# Altium PCB PCB1.PcbDoc (part 2 of 2)
Units mil, origin at the board's own origin, x right, y up, seen from the top; angles counter-clockwise.
Board outline 3937.01 x 3937.01 mil, 4 copper layers (Top Layer, GND2, PWR3, Bottom Layer), stack 23.756 mil thick; 159 components, 132 nets, 699 pads, 170 vias.
Unrouted connection lines stored in the file: 7.
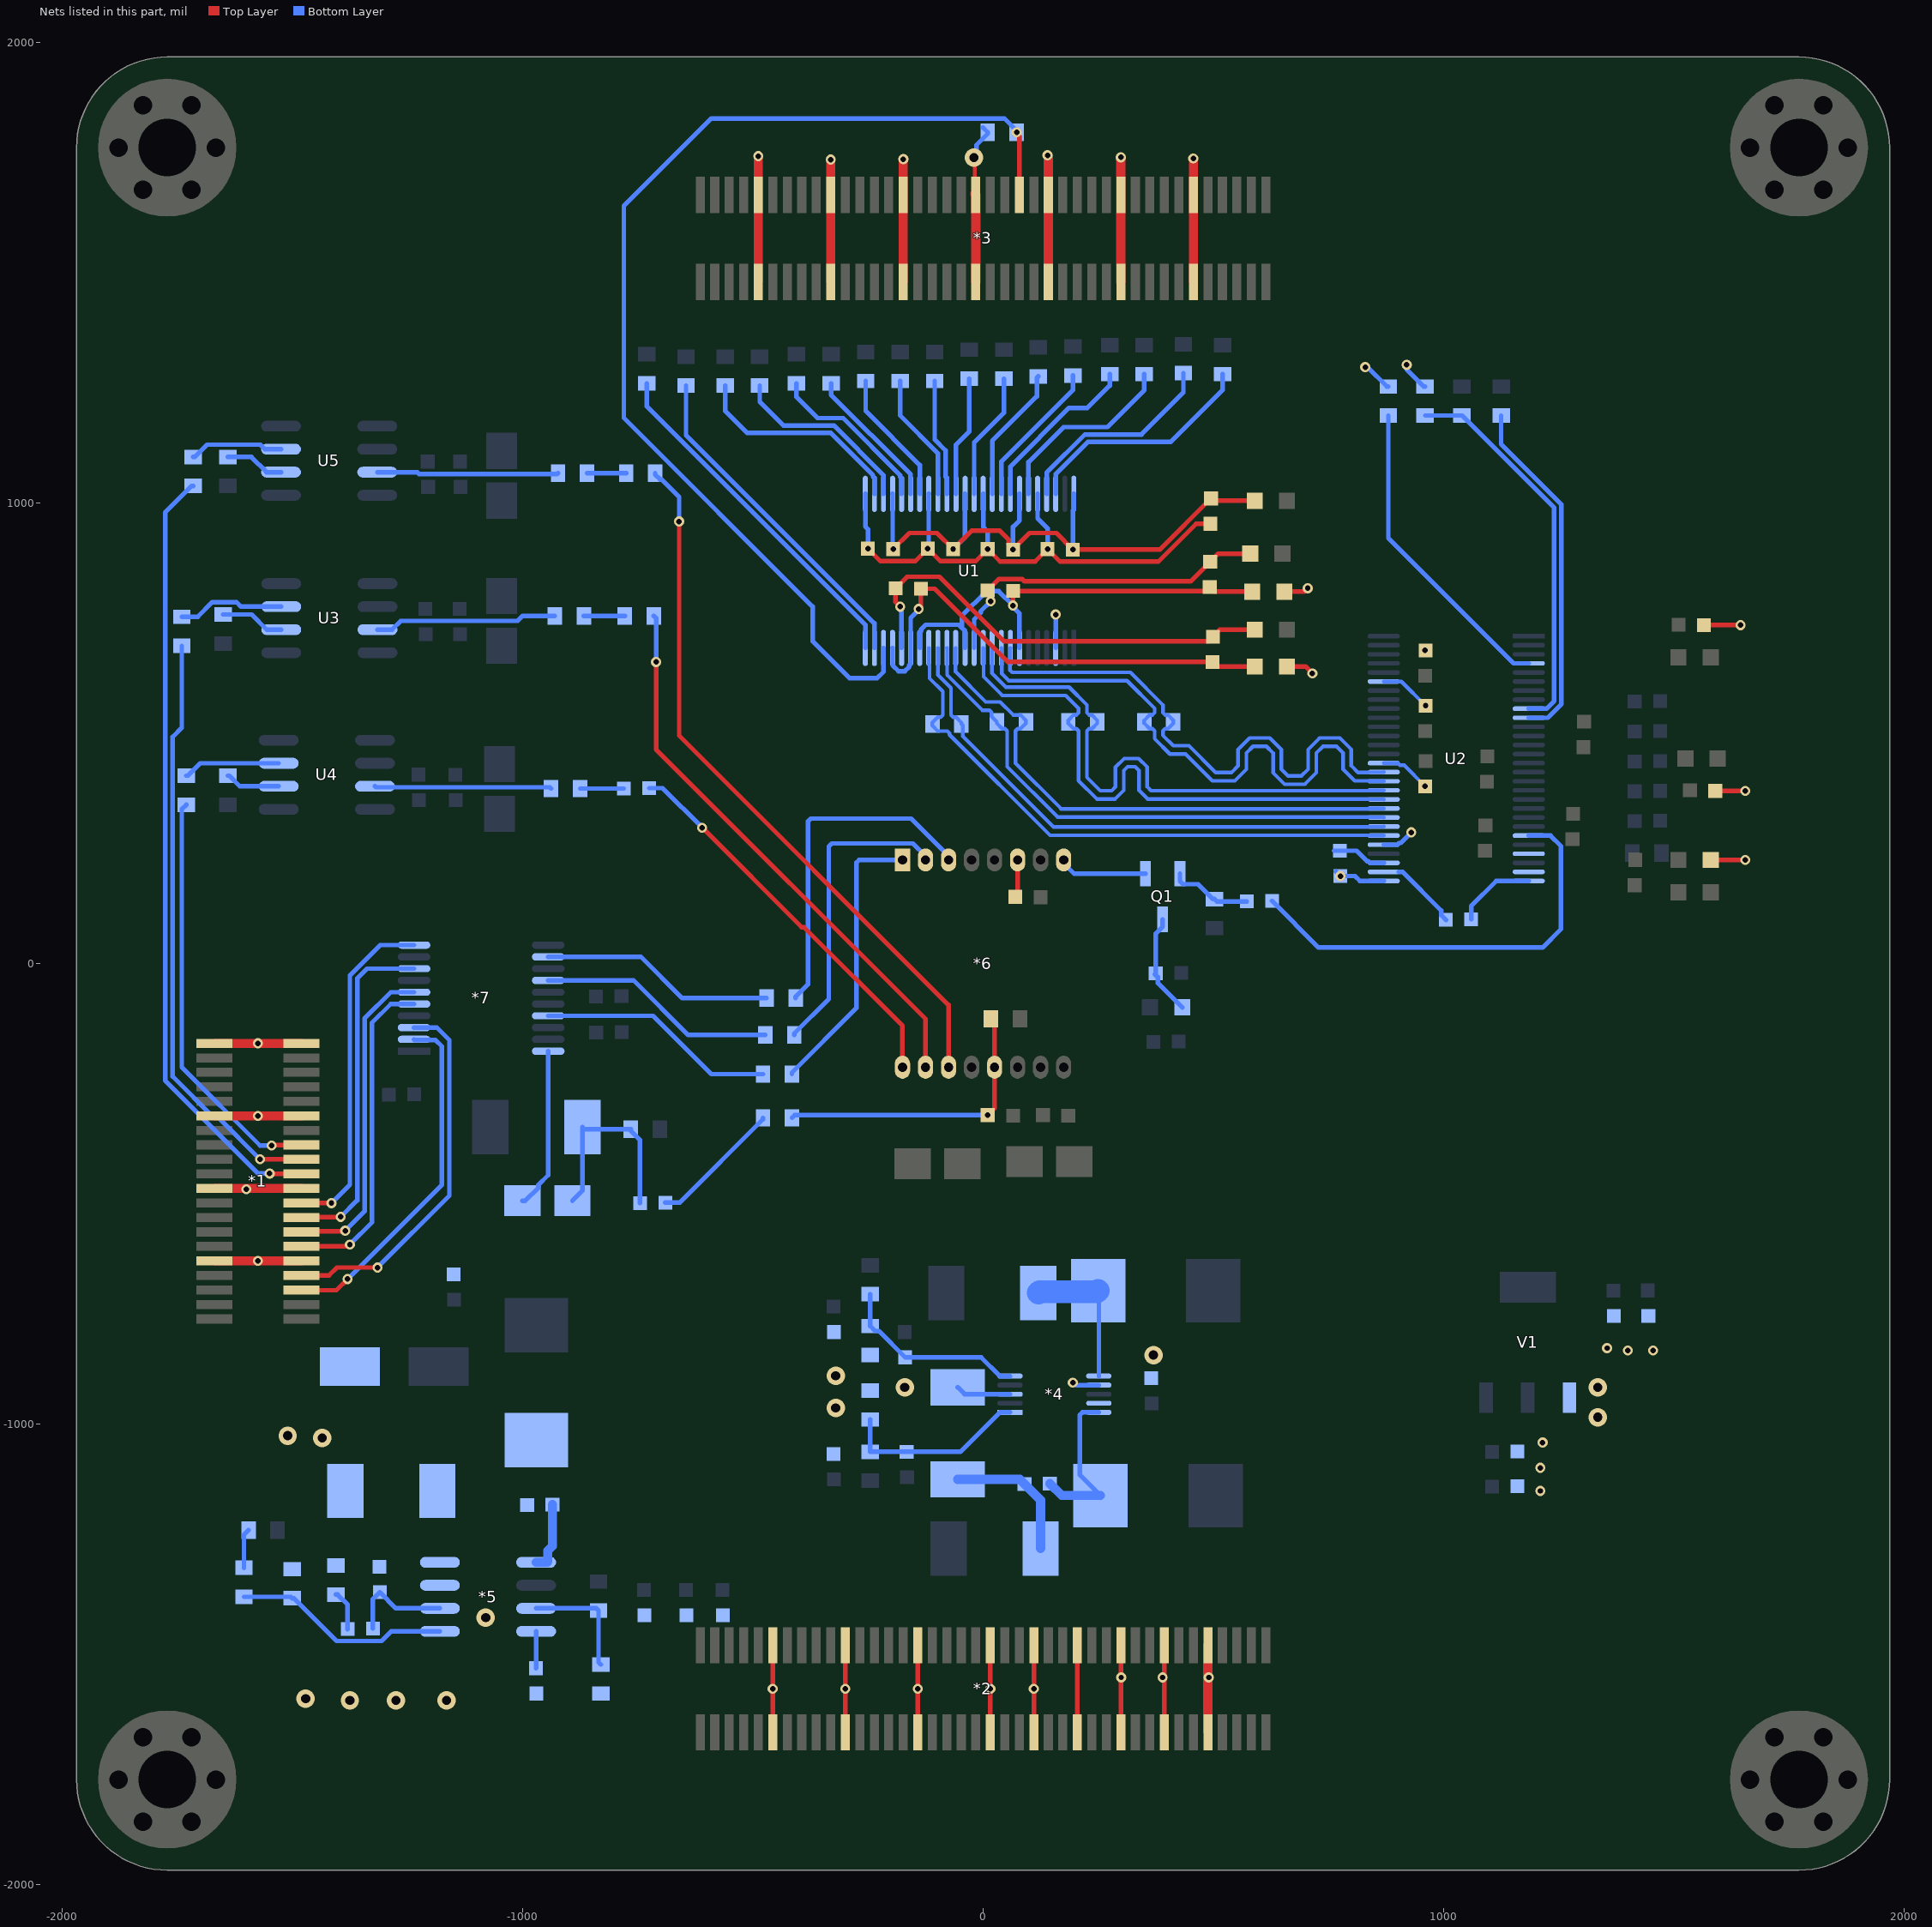
[diagram p4: the nets of this part, all layers, seen from the top]

## Via types
v1: diameter 22, hole 12, Top Layer to Bottom Layer, 132 vias
v2: diameter 40, hole 20, Top Layer to Bottom Layer, 35 vias
v3: diameter 50, hole 25, Top Layer to Bottom Layer, 3 vias

## Nets (pads, with @x,y where several pads share a name; then routed paths per layer and width w, separated by ;. In a path a pad name is that pad's centre, name@x,y a point inside that pad or via, vN(x,y) a via of type N, cw(c..) or ccw(c..) an arc to the next point about the centre after c; other vN are vias at no path point) (continued)
B14_L14_N: *3.45 R32.2 U1.22 | length 2443.1
  Top Layer w10: v1(72.99,1805) 72.99,1801.75 78.74,1796 *3.45@78.74,1669.29
  Bottom Layer w10: U1.22@-216.22,685.35 -216.22,633.78 -230,620 -290,620 -370,700 -370,775 -780,1185 -780,1645 -590,1835 46.24,1835 72.99,1808.25 v1(72.99,1805)
B15_L1_N: *1.25 R54.2 | length 904.8
  Top Layer w10: v1(-1545,-395) -1544.35,-394.35 -1480.97,-394.35 *1.25@-1480.31,-393.7
  Bottom Layer w10: R54.2@-1730,345 -1740,335 -1740,-225 -1570,-395 v1(-1545,-395)
B15_L2_N: *1.13 *7.6 | length 705.6
  Top Layer w10: *1.13@-1480.31,-582.68 -1478.98,-581.34 -1386.34,-581.34 v1(-1385,-580)
  Bottom Layer w10: v1(-1385,-580) -1343,-538 -1343,-119.1 -1286.1,-62.2 *7.6@-1235.67,-62.2
B15_L2_P: *1.11 *7.5 | length 716.5
  Top Layer w10: *1.11@-1480.31,-614.18 -1382.42,-614.18 -1378.25,-610 v1(-1375,-610)
  Bottom Layer w10: v1(-1375,-610) -1327,-562 -1327,-128.69 -1286.1,-87.8 *7.5@-1235.67,-87.8
B15_L4_N: *1.7 *7.3 | length 818.9
  Top Layer w10: *1.7@-1480.31,-677.17 -1420.41,-677.17 -1403.25,-660 v1(-1315,-660)
  Bottom Layer w10: v1(-1315,-660) -1159,-504 -1159,-166 -1186.02,-138.98 *7.3@-1235.67,-138.98
B15_L4_P: *1.5 *7.2 | length 767.6
  Top Layer w10: *1.5@-1480.31,-708.67 -1479.65,-709.33 -1404.33,-709.33 v1(-1380,-685)
  Bottom Layer w10: v1(-1380,-685) -1175,-480 -1175,-180 -1189.33,-165.67 -1234.57,-165.67 *7.2@-1235.67,-164.57
B15_L11_N: *1.23 R50.2 | length 1297.6
  Top Layer w10: v1(-1570,-425) -1569.9,-425.1 -1480.41,-425.1 *1.23@-1480.31,-425.2
  Bottom Layer w10: R50.2@-1740,690 -1740,511.97 -1760,491.98 -1760,-245 -1671.15,-333.85 -1661.15,-333.85 v1(-1570,-425)
B15_L11_P: *1.21 R57.2 | length 1699
  Top Layer w10: v1@-1550,-455 -1548.3,-456.7 *1.21@-1480.31,-456.7
  Bottom Layer w10: R57.2@-1715,1037.01 -1718.25,1037.01 -1776,979.26 -1776,-254 -1574.15,-455.85 v1(-1549.15,-455.85)
B15_L12_N: *1.17 *7.10 | length 743
  Top Layer w10: *1.17@-1480.31,-519.69 -1480.16,-519.84 -1415.16,-519.84 v1(-1415,-520)
  Bottom Layer w10: v1(-1415,-520) -1375,-480 -1375,-25.56 -1309.28,40.16 *7.10@-1235.67,40.16
B15_L12_P: *1.15 *7.8 | length 750.6
  Top Layer w10: *1.15@-1480.31,-551.19 -1479.72,-550.59 -1395.59,-550.59 v1(-1395,-550)
  Bottom Layer w10: v1(-1395,-550) -1359,-514 -1359,-32.19 -1337.84,-11.02 *7.8@-1235.67,-11.02
GND: *1.9 *1.10 *1.19 *1.20 *1.29 *1.30 *1.39 *1.40 *2.9 *2.10 *2.15 *2.16 *2.21 *2.22 *2.27 *2.28 *2.33 *2.34 *2.39 *2.40 *2.49 *2.50 *2.59 *2.60 *2.69 *2.70 *3.9 *3.10 *3.19 *3.20 *3.29 *3.30 *3.39 *3.40 *3.49 *3.50 *3.59 *3.60 *3.69 *3.70 *4.3 *4.7 *4.9 *5.7 C2.2 C4.1 C5.1 C6.1 C7.1 C8.2 C9.1 C12.1 C13.1 C14.1 C15.1 C17.1 C18.1 C19.1 C20.1 C21.1 C22.1 C23.1 C34.2 C40.1 C41.1 C42.1 C43.1 C44.1 D2.K D4.A EC1.2 L6.1 L8.1 L11.1 R2.1 R3.2 R7.1 R9.1 R10.1 R11.1 R15.1 R32.1 U1.3 U1.25 U1.32 U1.38 U1.44 U2.29 U2.33 U2.42 U2.51 V1.1 | length 6913.6
  Top Layer w8: v2(-20,1750) -17.87,1747.87 *3.39@-17.87,1671.42 ; v1(960,680) C41.1@961,680
  Top Layer w10: *2.69@-456.69,-1669.29 *2.70@-456.69,-1480.31 ; *2.59@-299.21,-1669.29 *2.60@-299.21,-1480.31 ; v1(-250,901) -223,874 -147,874 v1(-120,901) -93,874 -16,874 v1(10,900) 37,873 113,873 v1(140,900) 167,873 380.62,873 462.62,955 C19.1@493.99,955 ; *2.49@-141.73,-1669.29 *2.50@-141.73,-1480.31 ; *2.39@15.75,-1669.29 *2.40@15.75,-1480.31 ; *2.33@110.24,-1669.29 *2.34@110.24,-1480.31 ; *2.27@204.73,-1669.29 *2.28@204.73,-1480.31 ; *2.21@299.21,-1669.29 *2.22@299.21,-1480.31 ; *2.15@393.7,-1669.29 *2.16@393.7,-1480.31 ; L6.1@654.28,807.65 697.65,807.65 v1(705,815) ; L8.1@660,645 700,645 v1(715,630) ; C40.1@1565,735 v1(1645,735) ; L11.1@1580,225 v1(1655,225) ; C44.1@1590,375 v1(1655,375) v1@1655,380
  Top Layer w20: *1.10@-1669.29,-645.67 *1.9@-1480.31,-645.67 ; *1.20@-1669.29,-488.19 *1.19@-1480.31,-488.19 ; *1.30@-1669.29,-330.71 *1.29@-1480.31,-330.71 ; *1.40@-1669.29,-173.23 *1.39@-1480.31,-173.23 ; *3.10@-488.19,1480.31 *3.9@-488.19,1669.29 v1(-488.19,1753.19) ; *3.20@-330.71,1480.31 *3.19@-330.71,1669.29 v1(-330.71,1745.71) ; *3.30@-173.23,1480.31 *3.29@-173.23,1669.29 v1(-173.23,1746.77) ; *3.39@-17.87,1671.42 *3.39@-15.75,1669.29 *3.40@-15.75,1480.31 ; v1(140,1755) 141.73,1753.27 *3.49@141.73,1669.29 *3.50@141.73,1480.31 ; *3.60@299.21,1480.31 *3.59@299.21,1669.29 v1(299.21,1750.79) ; *3.70@456.69,1480.31 *3.69@456.69,1669.29 v1(456.69,1748.31) ; *2.9@488.19,-1669.29 488.19,-1552.35 490,-1550.54 490,-1549.46 488.19,-1547.65 *2.10@488.19,-1480.31
  Bottom Layer w8: U2.42@870,435.31 900.54,435.31 905.23,430.63 914.37,430.63 v1(960,385) ; U2.51@870,612.48 908.52,612.48 v1(961,560)
  Bottom Layer w10: U1.25@-255.59,1020 -255.59,948.84 -250,943.25 v1(-250,901) ; v1(-120,901) -117.99,903.01 -117.99,1019.81 U1.32@-117.8,1020 ; D2.K@-55,-920 -40,-935 *4.3@58.54,-935 ; v2(-20,1750) -14.26,1755.74 -14.26,1777.49 10,1801.75 R32.1@10,1805 R32.1@-0.75,1815.75 ; U1.38@0.31,1020 0.31,947.93 10,938.25 v1(10,900) ; U1.44@118.43,1020 118.43,966.57 140,945 v1(140,900) ; U1.3@157.8,685.35 v1(157.8,757.8) ; v1@194.23,-910 v1(195,-910) 198.25,-910 203.56,-915.31 *4.7@251.46,-915.31 ; C34.2@766,200 v1(776,190) 807.7,190 818.3,179.41 U2.29@870,179.41 ; v1(830,1295) 834.74,1295 876.75,1252.99 R15.1@880,1252.99 ; U2.33@870,258.15 900,258.15 903.68,261.83 906.83,261.83 v1(930,285) ; v1(920,1300) 920,1289.74 956.75,1252.99 R11.1@960,1252.99
  other v1: -456.69,-1574.8 -299.21,-1574.8 -141.73,-1574.8 15.75,-1574.8 110.24,-1574.8 300,-1550 390,-1550 490,-1550 1210,-1145 1210,-1095 1215,-1040 1400,-840 1455,-840 1355,-835 -1574.8,-645.67 -1600,-490 -1574.8,-330.71 -1574.8,-173.23
  other v2: -1375,-1600 -1275,-1600 -1165,-1600 -1470.91,-1596.13 -1080,-1420 -1435,-1030 -1510,-1025 1335,-985 -320,-965 -170,-920 1335,-920 -320,-895 370,-850
H1: *6.15 R42.1 | length 1224.4
  Top Layer w10: v1(-710,655) -710,465 -125,-120 *6.15@-125,-225
  Bottom Layer w10: R42.1@-715,755 -710,750 v1(-710,655)
H2: *6.16 C50.1 | length 853.7
  Top Layer w10: v1(-610,295) -393.85,78.85 -388.85,78.85 -175,-135 *6.16@-175,-225
  Bottom Layer w10: C50.1@-725,381 -696,381 v1(-610,295)
Net98: C24.2 C25.2 L5.2 U1.12 | length 749.6
  Top Layer w10: v1(16.64,786.64) 16.64,803.36 C25.2@10,810 35,835 84.56,835 89.56,830 450.63,830 C24.2@493.28,872.65 510.63,890 L5.2@580,890
  Bottom Layer w10: U1.12@-19.37,685.35 -19.37,747.38 -5,761.75 -5,765 v1(16.64,786.64)
Net*4_1: *4.1 C3.2 R1.1 R2.2 | length 409
  Bottom Layer w10: R2.2@-245,-990 R1.1@-245,-1060 C3.2@-166,-1060 -49.13,-1060 36.5,-974.37 *4.1@58.54,-974.37
Net*4_5: *4.5 C10.1 R3.1 R4.1 | length 417.6
  Bottom Layer w10: R4.1@-245,-717.99 R3.1@-245,-787.01 -234.25,-797.76 -226.24,-797.76 C10.1@-169,-855 -4.13,-855 36.5,-895.63 *4.5@58.54,-895.63
Net*4_6: *4.6 D3.A L2.2 | length 318.3
  Bottom Layer w10: L2.2@250,-710 251.46,-711.46 *4.6@251.46,-895.63
  Bottom Layer w50: D3.A@120,-715 122.5,-712.5 247.5,-712.5 L2.2@250,-710
Net*4_10: *4.10 C1.1 L1.2 | length 358.1
  Bottom Layer w10: *4.10@251.46,-974.37 215.86,-974.37 210,-980.23 210,-1110 L1.2@255,-1155
  Bottom Layer w20: C1.1@145,-1129 171,-1155 L1.2@255,-1155
Net*5_1: *5.1 C11.1 | length 153.6
  Bottom Layer w20: *5.1@-970.51,-1300 -946.87,-1300 -945.2,-1298.33 -945.2,-1274.69 -935,-1264.49 C11.1@-935,-1175
Net*5_3: *5.3 R6.1 R7.2 | length 256.7
  Bottom Layer w10: *5.3@-970.51,-1400 -840,-1400 R6.1@-835,-1405 -835,-1517.01 R7.2@-830,-1522.01
Net*5_4: *5.4 C18.2 | length 80.2
  Bottom Layer w10: C18.2@-971,-1530 -970.51,-1529.51 *5.4@-970.51,-1450
Net*5_5: *5.5 R8.1 R10.2 | length 474
  Bottom Layer w10: R8.1@-1605,-1375 -1502.99,-1375 R10.2@-1500,-1377.99 -1496.75,-1377.99 -1403.74,-1471 -1306.44,-1471 -1285.44,-1450 *5.5@-1179.49,-1450
Net*5_6: *5.6 C16.2 C17.2 | length 230.2
  Bottom Layer w10: C16.2@-1325,-1444 -1325,-1380 C17.2@-1310,-1365 -1275,-1400 *5.6@-1179.49,-1400
Net*5_8: *5.8 C11.2 D4.K L3.1
Net*6_6: *6.6 C46.1 | length 82.1
  Top Layer w10: C46.1@70,145 75,150 *6.6@75,225
Net*7_12: *7.12 R47.2 | length 511.4
  Bottom Layer w10: *7.12@-944.33,14.57 -742.77,14.57 -653.2,-75 R47.2@-470,-75
Net*7_14: *7.14 R46.2 | length 520.4
  Bottom Layer w10: *7.14@-944.33,-36.61 -758.67,-36.61 -640.28,-155 R46.2@-472.99,-155
Net*7_17: *7.17 R45.2 | length 518.8
  Bottom Layer w10: *7.17@-944.33,-113.39 -716.61,-113.39 -590,-240 R45.2@-477.99,-240
Net*7_20: *7.20 TC4.2 | length 351.4
  Bottom Layer w10: TC4.2@-1000,-515 -994.09,-515 -965.63,-486.54 -965.63,-480.63 -944.33,-459.33 *7.20@-944.33,-190.16
NetC1_2: C1.2 D1.K D2.A | length 303.6
  Bottom Layer w20: D2.A@-55,-1120 80,-1120 C1.2@90,-1130 125,-1165 D1.K@125,-1270
NetC16_1: C16.1 R9.2 | length 87.3
  Bottom Layer w10: R9.2@-1405,-1370 -1401.75,-1370 -1380,-1391.75 C16.1@-1380,-1445
NetC19_2: C19.2 C20.2 C21.2 C22.2 C23.2 L4.2 U1.28 U1.36 U1.42 U1.48 | length 1432.6
  Top Layer w10: v1(-195,900) -160,935 -100,935 v1(-65,900) -25,940 36.11,940 55,921.11 55,909 v1(65,899) 75,909 101,935 159,935 v1(195,899) 383.99,899 C19.2@494.99,1010 499.99,1005 L4.2@590,1005
  Bottom Layer w10: U1.28@-196.54,1020 -196.34,1019.81 -196.34,901.34 v1(-195,900) ; v1(-65,900) -39.05,925.95 U1.36@-39.05,1020 ; v1(65,899) 65,948.25 79.06,962.3 U1.42@79.06,1020 ; v1(195,899) 195,983.69 197.17,985.86 U1.48@197.17,1020
NetC24_1: C24.1 C25.1 L6.2 U1.7 U1.13 U1.18 | length 1012.3
  Top Layer w10: v1(65,777.5) C25.1@65,809 483.63,809 C24.1@492.28,817.65 502.28,807.65 L6.2@584.28,807.65
  Bottom Layer w10: U1.18@-137.48,685.35 -137.48,719.49 -134.3,722.68 -134.3,726.06 -124.63,735.72 -52.69,735.72 -45.97,729 ; U1.13@-39.05,685.35 -39.25,685.55 -39.25,722.28 -45.97,729 ; U1.7@79.06,685.35 79.06,760.2 65,774.25 v1(65,777.5) 33.86,808.64 7.53,808.64 -45.97,755.14 -45.97,729
NetC31_1: C31.1 C32.1 L8.2 U1.19 U1.21 | length 1057.9
  Top Layer w10: v1(-140,770) -135,775 C31.1@-135,814 -105,814 54,655 C32.1@497.99,655 507.99,645 L8.2@590,645
  Bottom Layer w10: U1.21@-196.54,685.35 -196.34,685.16 -196.34,647.64 -183.68,634.98 -170.02,634.98 -160.35,644.65 -160.35,648.03 -157.17,651.21 U1.19@-157.17,685.35 -157.17,750.4 -140,767.56 v1(-140,770)
NetC31_2: C31.2 C32.2 L7.2 U1.20 | length 993.8
  Top Layer w10: v1(-180,775) -190,785 C31.2@-190,815 -165,840 -95,840 45,700 488.99,700 C32.2@498.99,710 513.99,725 L7.2@590,725
  Bottom Layer w10: v1(-180,775) -180,771.75 -176.85,768.6 U1.20@-176.85,685.35
NetC33_1: C33.1 U2.30 | length 151
  Bottom Layer w10: U2.30@902.94,199.09 910.91,199.09 995,115 995,105 C33.1@1005,95
NetC33_2: C33.2 U2.28 | length 176.5
  Bottom Layer w10: C33.2@1060,96 1060,125 1114.41,179.41 U2.28@1184.96,179.41
NetC34_1: C34.1 U2.31 | length 118.5
  Bottom Layer w10: C34.1@762.37,245 810.84,245 833.37,222.46 836.32,222.46 840,218.78 U2.31@870,218.78
NetC45_2: C45.2 L13.1 Q1.3 | length 219.9
  Bottom Layer w10: C45.2@373,-23 379.36,-29.36 379.36,-41.86 L13.1@432.5,-95 ; C45.2@375,-21 375,65.18 390.1,80.28 Q1.3@390.1,96.03
NetC48_2: C48.2 Q1.2 R41.2 | length 179.1
  Bottom Layer w10: Q1.2@427.5,195 427.5,179.25 434.31,172.44 466.81,172.44 499.25,140 R41.2@502.5,140 507.5,135 C48.2@572.5,135
NetC50_2: C50.2 R53.1 | length 95
  Bottom Layer w10: R53.1@-875,380 C50.2@-780,380
NetC53_1: C53.1 R44.2 | length 290.1
  Bottom Layer w10: C53.1@-690,-519 -658.74,-519 -477.99,-338.25 R44.2@-477.99,-335
NetC53_2: C53.2 D5.K R51.2 TC4.1 | length 444.4
  Bottom Layer w10: TC4.1@-891.85,-515 -870,-493.15 D5.K@-870,-355 -865,-360 R51.2@-765,-360 -765,-363.25 -745,-383.25 C53.2@-745,-520
NetR5_1: R5.1 R8.2 | length 86.2
  Bottom Layer w10: R8.2@-1605,-1312.01 -1605,-1240 R5.1@-1595,-1230
NetR11_2: R11.2 R24.2 U2.9 | length 844.7
  Bottom Layer w10: R11.2@960,1190 R24.2@1040,1190 1240,990 1240,570 1223.43,553.43 U2.9@1184.96,553.43
NetR12_1: R12.1 U1.24 | length 771.2
  Bottom Layer w10: R12.1@-730,1260 -730,1210 -255.59,735.59 U1.24@-255.59,685.35
NetR13_1: R13.1 U1.26 | length 475.6
  Bottom Layer w10: R13.1@-560,1255 -560,1200 -512.48,1152.48 -330.86,1152.48 -239.09,1060.7 -239.09,1057.32 -235.91,1054.14 U1.26@-235.91,1020
NetR14_1: R14.1 U1.27 | length 410.3
  Bottom Layer w10: R14.1@-485,1255 -485,1220 -433.48,1168.48 -324.24,1168.48 -216.41,1060.65 -216.41,1020.19 U1.27@-216.22,1020
NetR15_2: R15.2 U2.4 | length 683.8
  Bottom Layer w10: R15.2@880,1190 880,923.87 1152.02,651.85 U2.4@1184.96,651.85
NetR17_1: R17.1 U1.29 | length 367.1
  Bottom Layer w10: R17.1@-405,1260 -405,1230 -359.48,1184.48 -303.81,1184.48 -180.04,1060.7 -180.04,1057.76 -180.04,1057.33 -176.85,1054.14 U1.29@-176.85,1020
NetR18_1: R18.1 U1.30 | length 311.6
  Bottom Layer w10: R18.1@-330,1260 -330,1235 -157.36,1062.36 -157.36,1020.19 U1.30@-157.17,1020
NetR20_1: R20.1 U1.31 | length 293.7
  Bottom Layer w10: R20.1@-255,1265 -255,1200 -137.48,1082.48 U1.31@-137.48,1020
NetR21_1: R21.1 U1.33 | length 278.9
  Bottom Layer w10: R21.1@-180,1265 -180,1190 -98.11,1108.11 U1.33@-98.11,1020
NetR23_1: R23.1 U1.34 | length 256
  Bottom Layer w10: R23.1@-105,1265 -105,1137.63 -81.61,1114.24 -81.61,1057.32 -78.43,1054.14 U1.34@-78.43,1020
NetR25_1: R25.1 U1.35 | length 261.9
  Bottom Layer w10: U1.35@-58.74,1020 -58.74,1126.61 -30,1155.35 R25.1@-30,1270
NetR26_2: R26.2 U2.10 | length 764.2
  Bottom Layer w10: R26.2@1125,1190 1125,1127.63 1256,996.63 1256,563.37 1226.37,533.74 U2.10@1184.96,533.74
NetR28_1: R28.1 U1.37 | length 276.7
  Bottom Layer w10: U1.37@-19.37,1020 -19.37,1131.6 45,1195.98 R28.1@45,1270
NetR29_1: R29.1 U1.39 | length 296.4
  Bottom Layer w10: U1.39@20,1020 20,1135 116.75,1231.75 116.75,1271.75 R29.1@120,1275
NetR30_1: R30.1 U1.40 | length 321.3
  Bottom Layer w10: U1.40@39.69,1020 39.69,1089.69 195,1245 R30.1@195,1277.01
NetR31_1: R31.1 U1.41 | length 372.7
  Bottom Layer w10: U1.41@59.37,1020 59.37,1079.37 186.43,1206.43 226.43,1206.43 275,1255 R31.1@275,1280
NetR33_1: R33.1 U1.43 | length 419.7
  Bottom Layer w10: U1.43@98.74,1020 98.74,1088.74 174.98,1164.98 269.98,1164.98 350,1245 R33.1@350,1280
NetR34_1: R34.1 U1.45 | length 456.8
  Bottom Layer w10: U1.45@138.11,1020 138.3,1020.19 138.3,1065.93 221.35,1148.98 343.98,1148.98 435,1240 R34.1@435,1282.01
NetR35_1: R35.1 U1.46 | length 515.5
  Bottom Layer w10: U1.46@157.8,1020 157.83,1062.83 227.98,1132.98 407.98,1132.98 520,1245 R35.1@520,1280
NetR36_1: R36.1 U1.23 | length 739.1
  Bottom Layer w10: R36.1@-645,1255 -645,1147.63 -236.1,738.73 -236.1,685.55 U1.23@-235.91,685.35
NetR38_2: U2.25
NetR39_2: U2.27
NetR42_2: R42.2 R49.1 | length 89
  Bottom Layer w10: R49.1@-867.01,755 R42.2@-777.99,755
NetR43_2: R43.2 R56.1 | length 85
  Bottom Layer w10: R56.1@-860,1065 R43.2@-775,1065
NetR48_2: R48.2 U3.2 | length 139.7
  Bottom Layer w10: R48.2@-1650,757.99 -1588.46,757.99 -1555.47,725 U3.2@-1523.98,725
NetR49_2: R49.2 U3.7 | length 397.4
  Bottom Layer w10: U3.7@-1315,725 -1283.5,725 -1264.5,744 -1010.76,744 -999.76,755 R49.2@-930,755
NetR50_1: R50.1 U3.3 | length 233.2
  Bottom Layer w10: R50.1@-1740,752.99 -1705.3,752.99 -1673.55,784.74 -1621.23,784.74 -1611.49,775 U3.3@-1523.98,775
NetR52_2: R52.2 U4.2 | length 120
  Bottom Layer w10: R52.2@-1640,407.99 -1636.75,407.99 -1613.76,385 U4.2@-1529.49,385
NetR53_2: R53.2 U4.7 | length 384.6
  Bottom Layer w10: U4.7@-1320.51,385 -1318.29,382.78 -940.77,382.78 R53.2@-937.99,380
NetR54_1: R54.1 U4.3 | length 211.7
  Bottom Layer w10: R54.1@-1730,407.99 -1726.75,407.99 -1699.74,435 U4.3@-1529.49,435
NetR55_2: R55.2 U5.2 | length 129.2
  Bottom Layer w10: R55.2@-1640,1100 -1588.98,1100 -1555.98,1067.01 U5.2@-1524.49,1067.01
NetR56_2: R56.2 U5.7 | length 395.2
  Bottom Layer w10: U5.7@-1315.51,1067.01 -1228.56,1067.01 -1224.34,1062.78 -925.21,1062.78 R56.2@-922.99,1065
NetR57_1: R57.1 U5.3 | length 205.6
  Bottom Layer w10: R57.1@-1715,1100 -1711.75,1100 -1685,1126.75 -1569.41,1126.75 -1559.67,1117.01 U5.3@-1524.49,1117.01
OS: C48.1 U2.23 | length 945.2
  Bottom Layer w10: C48.1@627.5,136 728.5,35 1215,35 1254.74,74.74 1254.74,255.26 1232.17,277.83 U2.23@1184.96,277.83
RG: *6.14 R43.1 | length 1550.8
  Top Layer w10: v1@-660,955 -660,495 -75,-90 *6.14@-75,-225
  Bottom Layer w10: R43.1@-712.01,1065 -712.01,1061.75 -701.26,1051 -698.01,1051 -660,1012.99 v1(-660,960)
SUB: *6.12 C47.2 R40.2 R44.1 | length 655.2
  Top Layer w10: v1(10,-329) 25,-314 25,-127.99 R40.2@17.01,-120
  Bottom Layer w10: R44.1@-415,-335 -409,-329 v1(10,-329) ; v1@10,-335 v1@19.14,-335
TXCLK+: R27.2 U1.17 U2.34 | length 1275
  Bottom Layer w8: U1.17@-117.8,685.35 -117.8,650.67 -116.11,648.99 -116.11,619.41 -87.5,590.8 -87.5,539.68 -92.19,535 -98.25,535 -110,523.25 R27.2@-110,520 -110,516.75 -98.25,505 -77.44,505 -72.76,500.32 -72.76,496.86 145.43,278.68 837.74,278.68 838.2,278.22 869.62,278.22 U2.34@870,277.83
TXCLK-: R27.1 U1.16 U2.35 | length 1213.7
  Bottom Layer w8: U1.16@-98.11,685.35 -98.11,626.86 -69.5,598.26 -69.5,539.68 -64.82,535 -58.76,535 -47.01,523.25 R27.1@-47.01,520 -44.13,517.12 -44.13,493.69 152.88,296.68 837.74,296.68 838.2,297.14 869.62,297.14 U2.35@870,297.52
TXOUT0+: R16.2 U1.9 U2.40 | length 1268.9
  Bottom Layer w8: U1.9@39.69,685.35 40.26,684.78 40.26,648.79 40.53,648.52 40.53,629.45 55.76,614.22 312.49,614.22 372.5,554.22 372.5,544.68 367.81,540 361.75,540 350,528.25 R16.2@350,525 350,521.75 361.75,510 367.81,510 372.5,505.32 372.5,488.33 405.82,455 439.54,455 497.76,396.79 530,396.79 546.73,396.79 571.77,421.83 571.77,457.29 586.27,471.79 615.27,471.79 629.77,457.29 629.77,414.46 654.82,389.42 698.73,389.42 723.77,414.46 723.77,457.29 738.27,471.79 767.27,471.79 781.77,457.29 781.77,421.83 806.82,396.79 829.32,396.79 837.74,396.79 838.2,396.33 869.62,396.33 U2.40@870,395.94
TXOUT0-: R16.1 U1.8 U2.41 | length 1239
  Bottom Layer w8: U1.8@59.37,685.35 58.8,684.78 58.8,648.79 58.53,648.52 58.53,636.91 63.21,632.22 319.95,632.22 390.5,561.67 390.5,544.68 395.18,540 401.24,540 412.99,528.25 R16.1@412.99,525 412.99,521.75 401.24,510 395.18,510 390.5,505.32 390.5,495.78 413.28,473 447,473 505.21,414.79 530,414.79 539.27,414.79 553.77,429.29 553.77,464.74 578.82,489.79 622.73,489.79 647.77,464.74 647.77,421.92 662.27,407.42 691.27,407.42 705.77,421.92 705.77,464.74 730.82,489.79 774.73,489.79 799.77,464.74 799.77,429.29 814.27,414.79 829.32,414.79 837.74,414.79 838.2,415.25 869.62,415.25 U2.41@870,415.63
TXOUT1+: R19.2 U1.11 U2.38 | length 1268.1
  Bottom Layer w8: U1.11@0.32,685.35 0.89,684.78 0.89,648.79 1.16,648.52 1.16,622.95 41.89,582.22 179.49,582.22 207.5,554.22 207.5,544.68 202.81,540 196.75,540 185,528.25 R19.2@185,525 185,521.75 196.75,510 202.81,510 207.5,505.32 207.5,397.05 247.13,357.42 270,357.42 286.73,357.42 305.52,376.21 305.52,419.17 313.77,427.42 330.27,427.42 338.52,419.17 338.52,376.21 357.32,357.42 465,357.42 837.74,357.42 838.2,356.96 869.62,356.96 U2.38@870,356.57
TXOUT1-: R19.1 U1.10 U2.39 | length 1238.2
  Bottom Layer w8: U1.10@20,685.35 19.43,684.78 19.43,648.79 19.16,648.52 19.16,630.41 49.34,600.22 186.95,600.22 225.5,561.67 225.5,544.68 230.18,540 236.24,540 247.99,528.25 R19.1@247.99,525 247.99,521.75 236.24,510 230.18,510 225.5,505.32 225.5,404.5 254.58,375.42 270,375.42 279.27,375.42 287.52,383.67 287.52,426.62 306.32,445.42 337.73,445.42 356.52,426.62 356.52,383.67 364.77,375.42 465,375.42 837.74,375.42 838.2,375.88 869.62,375.88 U2.39@870,376.26
TXOUT2+: R22.2 U1.15 U2.36 | length 1187.7
  Bottom Layer w8: U1.15@-78.42,685.35 -77.98,684.91 -77.98,626.53 -1.67,550.22 13.57,550.22 18.25,545.53 18.25,536.75 R22.2@30,525 30,521.75 41.75,510 47.81,510 52.5,505.32 52.5,427.5 161.95,318.05 837.74,318.05 838.2,317.59 869.62,317.59 U2.36@870,317.2
TXOUT2-: R22.1 U1.14 U2.37 | length 1195.3
  Bottom Layer w8: U1.14@-59.53,685.35 -59.98,684.91 -59.98,633.98 5.79,568.22 37.02,568.22 65.24,540 81.24,540 92.99,528.25 R22.1@92.99,525 92.99,521.75 81.24,510 75.18,510 70.5,505.32 70.5,434.96 169.41,336.05 837.74,336.05 838.2,336.51 869.62,336.51 U2.37@870,336.89
V1: *6.3 R47.1 | length 745
  Bottom Layer w10: R47.1@-407.01,-75 -407.01,-71.75 -380,-44.74 -380,309.14 -374.14,315 -156.5,315 -75,233.5 *6.3@-75,225
V2: *6.2 R46.1 | length 672.9
  Bottom Layer w10: R46.1@-410,-155 -410,-151.75 -335,-76.75 -335,254.14 -328.14,261 -152.5,261 -125,233.5 *6.2@-125,225
V3: *6.1 R45.1 | length 619.6
  Bottom Layer w10: R45.1@-415,-240 -415,-236.75 -275,-96.75 -275,219.14 -269.14,225 *6.1@-175,225
VOUT: *6.8 Q1.1 | length 194.2
  Bottom Layer w10: *6.8@175,225 175,218.05 198.05,195 Q1.1@352.7,195
pads on no net: *1.1 *1.2 *1.3 *1.4 *1.6 *1.8 *1.12 *1.14 *1.16 *1.18 *1.22 *1.24 *1.26 *1.27 *1.28 *1.31 *1.32 *1.33 *1.34 *1.35 *1.36 *1.37 *1.38 *2.17 *2.18 *2.19 *2.20 *2.29 *2.30 *2.31 *2.32 *2.35 *2.36 *2.37 *2.38 *2.41 *2.42 *2.43 *2.44 *2.45 *2.46 *2.47 *2.48 *2.51 *2.52 *2.53 *2.54 *2.55 *2.56 *2.57 *2.58 *2.61 *2.62 *2.63 *2.64 *2.65 *2.66 *2.67 *2.68 *2.71 *2.72 *2.73 *2.74 *2.75 *2.76 *2.77 *2.78 *2.79 *2.80 *3.2 *3.4 *3.6 *3.8 *3.12 *3.14 *3.16 *3.18 *3.22 *3.24 *3.26 *3.28 *3.32 *3.34 *3.36 *3.38 *3.42 *3.44 *3.46 *3.47 *3.48 *3.52 *3.54 *3.56 *3.58 *3.62 *3.64 *3.66 *3.67 *3.68 *3.71 *3.72 *3.73 *3.74 *3.75 *3.76 *3.77 *3.78 *3.79 *3.80 *6.4 *7.13 *7.16 *7.19 SP1.1 SP2.1 SP3.1 SP4.1 U1.1 U1.2 U1.4 U1.5 U1.6 U1.47 U2.1 U2.2 U2.3 U2.45 U2.46 U2.47 U2.48 U2.49 U2.50 U2.53 U2.54 U2.55 U2.56

## Polygon pours and split planes (outlines as drawn)
GND on Bottom Layer "GND_L04_P016" (solid, remove dead copper, pour order 16): -2007.5,2002.5 -2007.5,-2005 2017.5,-2022.5 2017.5,2020
GND on Bottom Layer "GND_L04_P011" (solid, pour order 11): -355,-610 -355,-680 -355,-1140 650,-1140 680,-1170 680,-585
+12 on Bottom Layer "+12_L04_P004" (solid, pour order 4): 430,-535 440,-545 440,-1270 650,-1270 660,-1260 660,-535
-7V5 on Bottom Layer "-7V5_L04_P009" (solid, pour order 9): -367.43,-1097.43 -375,-1105 -375,-1345 -20,-1345 -15,-1340 -15,-1092.46
+5 on Bottom Layer "+5_L04_P008" (solid, pour order 8): -1260,-710 -1260,-960 -820,-960 -815,-955 -815,-715
Net*5_8 on Bottom Layer "NET*5_8_L04_P007" (solid, pour order 7): -1275,-945 -815,-945 -815,-1315 -1260,-1315 -1265,-1310
GND on Bottom Layer "GND_L04_P006" (solid, pour order 6): -1549.97,-815 -1295,-815 -1280,-830 -1280,-1245 -1280,-1290 -1260,-1290 -1120,-1290 -1105,-1305 -1050,-1305 -1050,-1370 -1035,-1385 -1030,-1380 -495,-1380 -495,-1680 -505,-1690 -1559.97,-1690
+12 on Bottom Layer "+12_L04_P005" (solid, pour order 5): -435,-1326.68 -435,-1380 -1020,-1380 -1030,-1370 -1030,-1310
+5IN on Bottom Layer "+5IN_L04_P003" (solid, pour order 3): 1125,-1185 1125,-845 1120,-850 960,-850 960,-1185 965,-1190
GND on Bottom Layer "GND_L04_P002" (solid, pour order 2): 1140,-1190 1535,-1190 1535,-745 1152.54,-745
3v3 on Bottom Layer "3V3_L04_P000" (solid, pour order 0): 1105,-577.5 1105,-745 1525,-745 1535,-735 1535,-582.5
no net on PWR3 (split plane): 1806.21,1945.38 1828.59,1939.39 1850,1930.52 1870.06,1918.93 1888.45,1904.83 1904.83,1888.45 1918.93,1870.06 1930.52,1850 1939.39,1828.59 1945.38,1806.21 1948.41,1783.24 1948.41,1771.65 1948.41,1100.1 -387.89,1100.1 -401.4,1113.6 -403.05,1114.71 -405,1115.1 -406.95,1114.71 -408.6,1113.6 -409.71,1111.95 -410.1,1110 -410.1,700 -409.71,698.05 -408.6,696.4 -378.6,666.4 -376.95,665.29 -375,664.9 1034.9,664.9 1034.9,-790 1035.29,-791.95 1036.4,-793.6 1042.69,-799.9 665.1,-799.9 665.1,-505 664.71,-503.05 663.6,-501.4 623.6,-461.4 621.95,-460.29 620,-459.9 525,-459.9 523.05,-460.29 521.4,-461.4 520.29,-463.05 519.9,-465 519.9,-1302.89 402.54,-1420.25 400,-1419.91 185.09,-1419.91 185.09,-1009.18 189.18,-1005.09 300,-1005.09 302.61,-1004.74 305.04,-1003.74 307.13,-1002.13 327.13,-982.13 328.73,-980.04 329.74,-977.61 330.09,-975 330.09,-875 329.74,-872.39 329.45,-871.68 328.73,-869.96 327.13,-867.87 302.13,-842.87 300.04,-841.26 297.61,-840.26 295,-839.91 -370,-839.91 -372.61,-840.26 -375.04,-841.26 -377.13,-842.87 -412.13,-877.87 -413.73,-879.96 -414.74,-882.39 -415.09,-885 -415.09,-1219.9 -1070,-1219.9 -1071.95,-1220.29 -1073.6,-1221.4 -1074.71,-1223.05 -1075.1,-1225 -1075.1,-1948.41 -1783.24,-1948.41 -1806.21,-1945.38 -1828.59,-1939.39 -1850,-1930.52 -1870.06,-1918.93 -1888.45,-1904.83 -1904.83,-1888.45 -1918.93,-1870.06 -1930.52,-1850 -1939.39,-1828.59 -1945.38,-1806.21 -1948.41,-1783.24 -1948.41,-1771.65 -1948.41,-785.09 -1304.18,-785.09 -1290.09,-799.18 -1290.09,-910 -1289.74,-912.61 -1288.74,-915.04 -1287.13,-917.13 -1267.13,-937.13 -1265.04,-938.74 -1262.61,-939.74 -1260,-940.09 -805,-940.09 -802.39,-939.74 -799.96,-938.74 -797.87,-937.13 -796.26,-935.04 -795.26,-932.61 -794.91,-930 -794.91,1240 -795.26,1242.61 -796.26,1245.04 -797.87,1247.13 -842.87,1292.13 -844.96,1293.73 -847.39,1294.74 -850,1295.09 -1948.41,1295.09 -1948.41,1771.65 -1948.41,1783.24 -1945.38,1806.21 -1939.39,1828.59 -1930.52,1850 -1918.93,1870.06 -1904.83,1888.45 -1888.45,1904.83 -1870.06,1918.93 -1850,1930.52 -1828.59,1939.39 -1806.21,1945.38 -1783.24,1948.41 1783.24,1948.41
+5 on PWR3 (split plane): -815.09,1235.82 -815.09,-919.91 -1255.82,-919.91 -1269.91,-905.82 -1269.91,-795 -1270.26,-792.39 -1271.26,-789.96 -1272.87,-787.87 -1292.87,-767.87 -1294.96,-766.26 -1297.39,-765.26 -1300,-764.91 -1948.41,-764.91 -1948.41,1274.91 -854.18,1274.91
+12 on PWR3 (split plane): 654.9,-507.11 654.9,-1572.89 652.89,-1574.9 400,-1574.9 398.05,-1575.29 396.4,-1576.4 395.29,-1578.05 394.9,-1580 394.9,-1948.41 -1064.9,-1948.41 -1064.9,-1230.1 -413.69,-1230.1 -412.13,-1232.13 -410.04,-1233.74 -407.61,-1234.74 -405,-1235.09 -402.39,-1234.74 -399.96,-1233.74 -397.87,-1232.13 -396.27,-1230.04 -395.26,-1227.61 -394.91,-1225 -394.91,-889.18 -365.82,-860.09 290.82,-860.09 309.91,-879.18 309.91,-970.82 295.82,-984.91 185,-984.91 182.39,-985.26 181.68,-985.55 179.96,-986.26 177.87,-987.87 167.87,-997.87 166.27,-999.96 165.26,-1002.39 164.91,-1005 164.91,-1430 165.26,-1432.61 166.27,-1435.04 167.87,-1437.13 169.96,-1438.74 172.39,-1439.74 175,-1440.09 400,-1440.09 402.61,-1439.74 405.04,-1438.74 407.13,-1437.13 408.73,-1435.04 409.74,-1432.61 410.09,-1430 409.75,-1427.46 528.6,-1308.6 529.71,-1306.95 530.1,-1305 530.1,-470.1 617.89,-470.1
3v3 on PWR3 (split plane): -393.6,1091.4 -391.95,1090.29 -390,1089.9 1948.41,1089.9 1948.41,-799.9 1057.11,-799.9 1045.1,-787.89 1045.1,670 1044.71,671.95 1043.6,673.6 1041.95,674.71 1040,675.1 -372.89,675.1 -399.9,702.11 -399.9,1097.69
+5IN on PWR3 (split plane): 1948.41,-1771.65 1948.41,-1783.24 1945.38,-1806.21 1939.39,-1828.59 1930.52,-1850 1918.93,-1870.06 1904.83,-1888.45 1888.45,-1904.83 1870.06,-1918.93 1850,-1930.52 1828.59,-1939.39 1806.21,-1945.38 1783.24,-1948.41 405.1,-1948.41 405.1,-1585.1 655,-1585.1 656.95,-1584.71 658.6,-1583.6 663.6,-1578.6 664.71,-1576.95 665.1,-1575 665.1,-810.1 1948.41,-810.1
GND on GND2 (split plane): 1806.21,1945.38 1828.59,1939.39 1850,1930.52 1870.06,1918.93 1888.45,1904.83 1904.83,1888.45 1918.93,1870.06 1930.52,1850 1939.39,1828.59 1945.38,1806.21 1948.41,1783.24 1948.41,1771.65 1948.41,-1771.65 1948.41,-1783.24 1945.38,-1806.21 1939.39,-1828.59 1930.52,-1850 1918.93,-1870.06 1904.83,-1888.45 1888.45,-1904.83 1870.06,-1918.93 1850,-1930.52 1828.59,-1939.39 1806.21,-1945.38 1783.24,-1948.41 -1783.24,-1948.41 -1806.21,-1945.38 -1828.59,-1939.39 -1850,-1930.52 -1870.06,-1918.93 -1888.45,-1904.83 -1904.83,-1888.45 -1918.93,-1870.06 -1930.52,-1850 -1939.39,-1828.59 -1945.38,-1806.21 -1948.41,-1783.24 -1948.41,-1771.65 -1948.41,1771.65 -1948.41,1783.24 -1945.38,1806.21 -1939.39,1828.59 -1930.52,1850 -1918.93,1870.06 -1904.83,1888.45 -1888.45,1904.83 -1870.06,1918.93 -1850,1930.52 -1828.59,1939.39 -1806.21,1945.38 -1783.24,1948.41 1783.24,1948.41
AGND on GND2 (split plane): -910.09,1215.82 -910.09,660 -909.74,657.39 -908.74,654.96 -907.13,652.87 -548.09,293.82 -546,292.22 -543.57,291.21 -540.96,290.87 664.91,290.87 664.91,175 665.26,172.39 666.27,169.96 667.87,167.87 702.87,132.87 704.96,131.27 707.39,130.26 710,129.91 980,129.91 982.61,130.26 985.04,131.27 987.13,132.87 1018.09,163.82 1019.69,165.91 1020.7,168.35 1021.04,170.96 1021.04,296.78 1052.13,327.87 1053.73,329.96 1054.74,332.39 1055.09,335 1055.09,570.82 1072.98,588.71 1564.91,588.71 1564.91,479.18 1550.82,465.09 1520,465.09 1517.39,464.74 1514.96,463.73 1512.87,462.13 1511.27,460.04 1510.26,457.61 1509.91,455 1510.26,452.39 1511.27,449.96 1512.87,447.87 1514.91,445.82 1514.91,385 1515.26,382.39 1516.27,379.96 1517.87,377.87 1554.91,340.82 1554.91,284.18 1537.87,267.13 1536.27,265.04 1535.26,262.61 1534.91,260 1534.91,129.18 1468.85,63.11 1150.82,-254.91 754.16,-254.91 752.14,-253.36 749.71,-252.35 747.1,-252.01 744.49,-252.35 742.05,-253.36 739.96,-254.96 555.02,-439.91 555,-439.91 552.39,-440.26 551.17,-440.76 549.96,-441.26 547.87,-442.87 497.87,-492.87 496.3,-494.91 -1330.82,-494.91 -1339.91,-485.82 -1339.91,225 -1340.26,227.61 -1341.26,230.04 -1342.87,232.13 -1362.87,252.13 -1364.96,253.73 -1367.39,254.74 -1370,255.09 -1590.82,255.09 -1604.91,269.18 -1604.91,1250.82 -1580.82,1274.91 -969.18,1274.91

## Keep-outs
Keep-Out Layer:
  the board outline again, w10

## Other copper
Bottom Layer:
  pour cut-out: -1725,1450 -1725,1155 -1700,1130 -1700,70 -1410,70 -1375,35 -1375,-555 1050,-555 1065,-540 1070,-545 1520,-545 1685,-380 1685,1125 1285,1125 990,1420 -905,1420
GND2 (plane layer: these items are gaps in the copper):
  lines w20: 500,-505 -1335,-505 -1350,-490 -1350,225 -1370,245 -1595,245 -1615,265 -1615,1255 -1585,1285 -965,1285 -900,1220 -900,660 -540.96,300.96 675,300.96 ; 505,-500 555,-450 559.19,-450 747.1,-262.1 ; 675,295 675,175 710,140 980,140 1010.96,170.96 1010.96,300.96 1045,335 1045,575 1068.8,598.8 1573.8,598.8 ; 750,-265 1155,-265 1475.98,55.98 1545,125 1545,260 1565,280 1565,345 1525,385 1525,450 1520,455 1555,455 1575,475 1575,600
PWR3 (plane layer: these items are gaps in the copper):
  lines w10: -1070,-1965 -1070,-1225 -405,-1225 ; 400,-1970 400,-1580 505,-1580 655,-1580 660,-1575 660,-505 620,-465 525,-465 525,-1305 400,-1430 ; 660,-805 1055,-805 ; 1960,1095 -390,1095 -405,1110 -405,700 -375,670 1040,670 1040,-790 1055,-805 ; 1965,-805 1055,-805
  lines w20: -1970,-775 -1300,-775 -1280,-795 -1280,-910 -1260,-930 -805,-930 -805,1240 -850,1285 -1960,1285 ; -405,-1225 -405,-885 -370,-850 295,-850 320,-875 320,-975 300,-995 185,-995 175,-1005 175,-1430 400,-1430

## Silkscreen, mask and mechanical layers (free items; w line width, h text height)
Mechanical 13:
  the board outline again, w10

## Text inside footprints (layer, text, board x,y; h text height)
*2: Top Overlay "1" at 726.48,-1645.8 h35 r180; Top Overlay "2" at 730.48,-1472.8 h35 r180; Top Overlay "79" at -679.52,-1641.8 h35 r180; Top Overlay "80" at -678.52,-1474.8 h35 r180
*3: Top Overlay "80" at 678.52,1474.8 h35; Top Overlay "79" at 679.52,1641.8 h35; Top Overlay "2" at -730.48,1472.8 h35; Top Overlay "1" at -726.48,1645.8 h35
TC1: Top Overlay "+" at -240,-450 h35
TC2: Top Overlay "+" at 285,-415 h35 r180
TC3: Bottom Overlay "+" at -1060,603.15 h35 r270
TC4: Bottom Overlay "+" at -805,-530 h35
TC5: Bottom Overlay "+" at -1065,238.15 h35 r270
TC6: Bottom Overlay "+" at -1060,918.15 h35 r270